# Altium PCB Waffling60-MX.PcbDoc (part 3 of 3)
Units mm, origin at the board's own origin, x right, y up, seen from the top; angles counter-clockwise.
Board outline 284.7 x 94.21 mm, 2 copper layers (Component Side, Bottom Layer), stack 1.571 mm thick; 179 components, 117 nets, 927 pads, 147 vias.
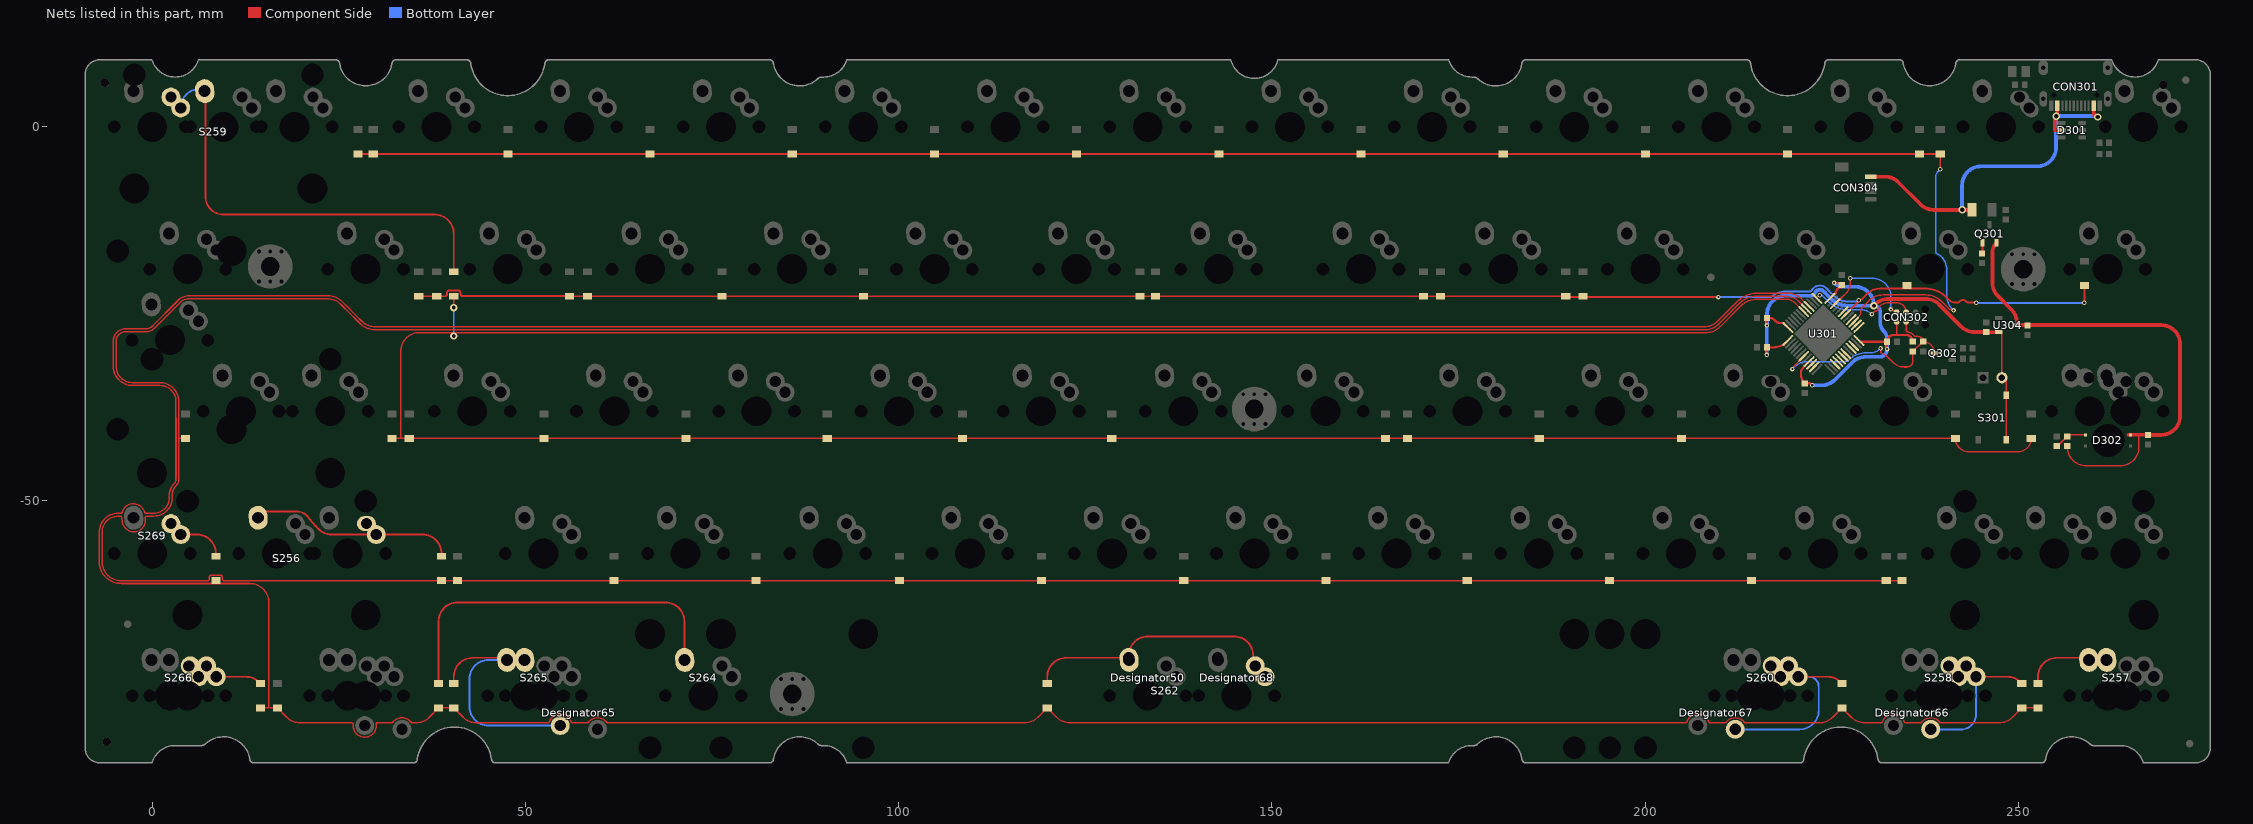
[diagram p3: the nets of this part, all layers, seen from the top]

## Via types
v1: diameter 0.6, hole 0.3, Component Side to Bottom Layer, tented both sides, 102 vias
v2: diameter 0.6, hole 0.3, Component Side to Bottom Layer, tented bottom, 25 vias
v3: diameter 1, hole 0.5, Component Side to Bottom Layer, tented both sides, 17 vias
v4: diameter 1, hole 0.6, Component Side to Bottom Layer, tented both sides, 3 vias

## Nets (pads, with @x,y where several pads share a name; then routed paths per layer and width w, separated by ;. In a path a pad name is that pad's centre, name@x,y a point inside that pad or via, vN(x,y) a via of type N, cw(c..) or ccw(c..) an arc to the next point about the centre after c; other vN are vias at no path point) (continued)
NetD255_1: D255.1 S256.1 | length 27.9
  Component Side w0.254: S256.1@14.17,-52.36 15.024,-51.506 19.31,-51.506 cw(c19.31,-53.519) 20.721,-52.083 cw(c20.543,-52.265) 20.743,-52.108 ccw(c36.117,-40.167) 22.326,-53.906 22.329,-53.909 ccw(c23.442,-52.792) 22.471,-54.034 cw(c22.313,-54.233) 22.486,-54.047 ccw(c23.936,-52.461) 23.937,-54.61 30.105,-54.61 36.201,-54.61 cw(c36.201,-57.15) 38.741,-57.15 D255.1@38.741,-57.515
NetD256_1: D256.1 S269.1 | length 6.5
  Component Side w0.254: S269.1@3.81,-54.61 5.975,-54.61 cw(c5.975,-57.15) 8.515,-57.15 D256.1@8.515,-57.515
NetD257_1: D257.1 S257.2 | length 9.1
  Component Side w0.254: D257.1@252.609,-74.565 252.609,-73.66 cw(c255.149,-73.66) 255.149,-71.12 S257.2@259.397,-71.12
NetD258_1: D258.1 Designator66.2 S258.1 | length 18.7
  Component Side w0.254: S258.1@244.317,-73.66 248.493,-73.66 cw(c248.493,-76.2) 250.289,-74.404 D258.1@250.45,-74.565
  Bottom Layer w0.254: Designator66.2@238.244,-80.7 ccw(c238.294,-80.7) 238.294,-80.75 242.25,-80.75 ccw(c242.25,-78.683) 244.317,-78.683 244.317,-76.555 cw(c244.571,-76.556) 244.325,-76.493 ccw(c243.206,-76.2) 244.325,-75.907 cw(c244.571,-75.844) 244.317,-75.845 S258.1@244.317,-73.66
NetD259_1: D259.1 S259.1 | length 60
  Component Side w0.254: S259.1@7.025,4.79 cw(c7.025,4.697) 7.118,4.697 7.118,-9.308 ccw(c9.565,-9.308) 9.565,-11.755 37.852,-11.755 cw(c37.852,-14.295) 40.392,-14.295 D259.1@40.392,-19.415
  Bottom Layer w0.254: S259.1@3.81,2.54 cw(c6.35,2.54) 6.35,5.08 S259.1@6.985,5.08
NetD260_1: D260.1 Designator67.2 S260.1 | length 25.4
  Component Side w0.254: S260.1@220.504,-73.66 224.411,-73.66 cw(c224.411,-76.2) 226.207,-74.404 D260.1@226.368,-74.565
  Bottom Layer w0.254: Designator67.2@212.05,-80.7 220.71,-80.7 ccw(c220.71,-78.16) 223.25,-78.16 223.25,-75 ccw(c221.91,-75) 221.91,-73.66 S260.1@220.504,-73.66
NetD261_1: 
NetD262_1: D262.1 Designator50.2 Designator68.1 S262.2 | length 36.6
  Component Side w0.254: D262.1@119.894,-74.565 119.894,-73.66 cw(c122.434,-73.66) 122.434,-71.12 S262.2@130.811,-71.12 130.811,-70.81 cw(c133.351,-70.81) 133.351,-68.27 144.947,-68.27 cw(c144.947,-70.81) 147.487,-70.81 S262.2@147.487,-71.12 148.013,-71.646 cw(c146.217,-73.442) 148.757,-73.442 Designator68.1@148.757,-73.66
  Bottom Layer w0.254: S262.2@130.811,-71.12 Designator50.2@130.811,-70.937
NetD263_1: 
NetD264_1: D264.1 S264.1 | length 49
  Component Side w0.254: D264.1@38.36,-74.565 38.36,-66.238 cw(c40.9,-66.238) 40.9,-63.698 68.739,-63.698 cw(c68.739,-66.238) 71.279,-66.238 S264.1@71.279,-71.12
NetD265_1: D265.1 Designator65.1 S265.2 | length 33.2
  Component Side w0.254: D265.1@40.392,-74.565 40.392,-73.66 cw(c42.932,-73.66) 42.932,-71.12 S265.2@47.467,-71.12
  Bottom Layer w0.254: S265.2@47.507,-71.41 45.04,-71.41 ccw(c45.04,-73.95) 42.5,-73.95 42.5,-77.66 ccw(c45.04,-77.66) 45.04,-80.2 Designator65.1@54.65,-80.2
NetD266_1: D266.1 S266.1 | length 6.2
  Component Side w0.254: S266.1@8.573,-73.66 12.527,-73.66 cw(c12.527,-76.2) 14.323,-74.404 D266.1@14.484,-74.565
NetD302_4: D302.4 R306.2 R308.1 | length 4.5
  Component Side w0.254: R308.1@255.149,-42.758 255.447,-42.485 256.248,-41.731 R306.2@256.546,-41.458 cw(c256.761,-41.458) 256.761,-41.243 D302.4@258.993,-41.243
NetQ301_1: Q301.1 R307.1 | length 1.5
  Component Side w0.254: R307.1@245.116,-16.947 ccw(c245.116,-16.881) 245.182,-16.881 Q301.1@245.182,-15.495
NRST: C310.1 CON302.3 Q302.3 R303.2 U301.7 | length 30.5
  Component Side w0.203: v1@219.716,-32.456 v1(219.716,-32.448) 219.716,-32.254 U301.7@221.069,-30.9 ; v1(231.535,-29.662) 231.535,-29.723 231.535,-30.098 ccw(c231.738,-30.101) 231.654,-30.286 cw(c230.384,-33.109) 232.573,-30.921 233.187,-31.534 ccw(c234.712,-30.008) 234.188,-32.101 ccw(c234.712,-30.008) 234.712,-32.165 235.083,-32.165 ccw(c235.083,-31.403) 235.845,-31.403 R303.2@235.845,-30.058 236.168,-29.76 236.919,-29.056 C310.1@237.242,-28.758 ; CON302.3@234.956,-26.106 234.956,-27.262 ccw(c235.159,-27.261) 235.133,-27.462 cw(c234.971,-28.758) 235.548,-27.587 cw(c234.971,-28.758) 236.054,-28.029 ccw(c236.222,-27.915) 236.099,-28.076 236.48,-28.076 cw(c236.48,-29.154) 237.242,-28.392 C310.1@237.242,-28.758 ; Q302.3@238.709,-30.297 238.709,-30.225 ccw(c237.242,-30.225) C310.1@237.242,-28.758
  Bottom Layer w0.203: v1(219.716,-32.448) 219.991,-32.173 cw(c221.787,-33.969) 221.787,-31.429 226.591,-31.429 ccw(c226.591,-29.298) 227.136,-31.358 ccw(c227.083,-31.162) 227.226,-31.307 227.36,-31.173 ; 227.36,-31.172 cw(c229.531,-33.345) 228,-30.682 cw(c229.531,-33.345) 228.293,-30.534 cw(c229.531,-33.345) 229.531,-30.273 230.257,-30.273 ccw(c230.257,-28.664) 231.395,-29.802 v1(231.535,-29.662)
PA0: U301.10
PA1: U301.11
PA5: U301.15
PA6: U301.16
PA7: U301.17
PA9: D215.2 D216.2 D217.2 D218.2 D219.2 D220.2 D221.2 D222.2 D223.2 D224.2 D225.2 D226.2 D227.2 D228.2 U301.30 | length 231.9
  Component Side w0.254: D227.2@35.693,-22.685 D228.2@38.106,-22.685 39.221,-22.685 ccw(c39.221,-22.431) 39.475,-22.431 39.475,-22.23 cw(c39.782,-22.23) 39.782,-21.923 41.002,-21.923 cw(c41.002,-22.23) 41.309,-22.23 41.309,-22.423 ccw(c41.563,-22.423) 41.563,-22.677 55.403,-22.677 D226.2@55.886,-22.685 D225.2@58.299,-22.685 D224.2@76.333,-22.685 D223.2@95.256,-22.685 D222.2@132.34,-22.685 D221.2@134.372,-22.685 D220.2@170.313,-22.685 D219.2@172.599,-22.685 D218.2@189.363,-22.685 189.846,-22.804 v1(209.81,-22.804) ; U301.30@227.044,-24.925 v1@228.535,-23.435 ; v1@228.668,-23.151 228.912,-23.151 229.652,-22.411 cw(c231.448,-24.207) 231.448,-21.667 237.629,-21.667 cw(c237.629,-24.068) 237.842,-21.676 ccw(c237.863,-21.423) 237.844,-21.677 cw(c237.57,-25.581) 240.134,-22.624 ; 239.146,-21.998 cw(c237.57,-25.581) 240.134,-22.624 ; v1(244.354,-23.566) ccw(c244.235,-23.79) 244.235,-23.536 243.265,-23.536 cw(c243.266,-23.282) 243.063,-23.435 ccw(c242.576,-23.797) 242.089,-23.435 cw(c241.886,-23.282) 241.887,-23.536 241.844,-23.536 ccw(c241.844,-23.947) 241.842,-23.536 241.595,-23.536 cw(c241.595,-22.246) 240.682,-23.158 240.341,-22.816 ccw(c237.57,-25.581) 240.134,-22.624 ; v1(258.832,-23.566) D215.2@258.832,-21.264
  Bottom Layer w0.254: v1(209.81,-22.804) 216.726,-22.804 ccw(c216.724,-22.55) 216.884,-22.748 cw(c218.842,-25.147) 218.842,-22.05 222.056,-22.05 ccw(c222.055,-21.796) 222.276,-21.921 cw(c223.399,-22.55) 224.308,-21.639 cw(c223.399,-22.55) 224.31,-21.641 cw(c223.399,-22.55) 224.398,-21.739 ccw(c224.595,-21.578) 224.435,-21.775 cw(c223.756,-22.626) 224.524,-21.855 cw(c223.756,-22.626) 224.526,-21.857 cw(c223.756,-22.626) 224.527,-21.858 224.88,-22.211 ; 224.881,-22.212 225.315,-22.646 ; 225.316,-22.647 ccw(c227.111,-20.85) 227.111,-23.39 228.335,-23.39 ; v1(244.354,-23.566) v1(258.832,-23.566)
  other v1: 228.601,-23.217
PA10: U301.31
PB0: U301.18
PB1: U301.19
PB4: D241.2 D256.2 D257.2 D258.2 D260.2 D262.2 D264.2 D265.2 D266.2 U301.40 | length 569
  Component Side w0.203: 4.935,-22.636 ccw(c4.87,-24.57) 3.365,-23.354 cw(c3.208,-23.226) 3.352,-23.369 0.048,-26.673 cw(c-0.095,-26.528) 0.028,-26.69 ccw(c0.26,-26.995) -0.01,-26.723 cw(c-0.808,-25.927) -0.756,-27.053 -3.596,-27.054 ccw(c-3.596,-28.678) -5.22,-28.678 -5.22,-32.094 ccw(c-2.68,-32.094) -2.68,-34.634 1.019,-34.634 cw(c1.019,-36.791) 3.176,-36.791 3.176,-38.92 ccw(c3.841,-38.92) 3.178,-38.969 ccw(c3.841,-38.92) 3.178,-38.971 cw(c2.976,-38.987) 3.179,-38.986 3.179,-39.441 3.179,-47.157 cw(c2.261,-47.157) 2.91,-47.806 ccw(c4.402,-49.298) 2.707,-48.041 ccw(c4.402,-49.298) 2.292,-49.298 2.292,-49.667 cw(c0.206,-49.667) 1.678,-51.145 cw(c0.206,-49.667) 0.206,-51.753 -0.842,-51.753 cw(c-0.841,-51.55) -1.036,-51.606 ccw(c-2.529,-52.031) -1.776,-50.674 ccw(c-2.529,-52.031) -3.728,-51.047 ccw(c-2.529,-52.031) -4.022,-51.609 cw(c-4.217,-51.553) -4.187,-51.754 cw(c-4.265,-51.224) -4.265,-51.76 -4.434,-51.76 -4.566,-51.76 ccw(c-4.566,-54.3) -7.106,-54.3 -7.106,-58.245 ccw(c-4.183,-58.245) -4.183,-61.168 13.087,-61.168 cw(c13.087,-63.708) 15.627,-63.708 15.627,-77.835 ; 4.999,-22.635 23.618,-22.635 cw(c23.618,-25.175) 25.414,-23.379 26.312,-24.277 26.836,-24.801 ; D266.2@14.484,-77.835 15.627,-77.835 ; 26.837,-24.802 27.281,-25.247 28.074,-26.039 ccw(c29.87,-24.243) 28.088,-26.053 ccw(c29.87,-24.243) 29.87,-26.783 207.895,-26.783 ccw(c207.895,-24.243) 209.691,-26.039 212.302,-23.428 cw(c215.017,-26.133) 212.312,-23.418 cw(c215.017,-26.133) 213.336,-22.689 ccw(c213.246,-22.507) 213.345,-22.684 cw(c214.793,-25.224) 214.793,-22.3 219.16,-22.3 cw(c219.16,-24.84) 220.956,-23.044 U301.40@221.776,-23.865 ; 208.514,-79.687 ccw(c207.05,-80.2) 205.582,-79.698 cw(c205.39,-79.632) 205.391,-79.835 171.202,-79.835 171.202,-79.827 122.938,-79.827 cw(c122.938,-77.287) 121.142,-79.083 D262.2@119.894,-77.835 118.646,-79.083 cw(c116.85,-77.287) 116.85,-79.827 107.909,-79.827 107.901,-79.835 61.041,-79.835 cw(c61.042,-79.632) 60.882,-79.756 ccw(c59.65,-80.7) 58.419,-79.756 cw(c58.258,-79.632) 58.259,-79.835 56.309,-79.835 cw(c56.31,-79.632) 56.118,-79.699 ccw(c54.65,-80.2) 53.182,-79.698 cw(c52.99,-79.632) 52.991,-79.835 52.421,-79.835 44.456,-79.835 43.444,-79.835 cw(c43.444,-77.295) 41.648,-79.091 D265.2@40.392,-77.835 D264.2@38.36,-77.835 37.104,-79.091 cw(c35.308,-77.295) 35.308,-79.835 34.847,-79.835 cw(c34.848,-79.632) 34.688,-79.756 ccw(c33.456,-80.7) 32.225,-79.756 cw(c32.064,-79.632) 32.065,-79.835 30.115,-79.835 ccw(c30.115,-79.943) 30.008,-79.943 30.008,-80.2 cw(c28.456,-80.2) 28.758,-81.722 cw(c28.456,-80.2) 26.911,-80.057 ccw(c26.709,-80.038) 26.71,-79.835 19.822,-79.835 cw(c19.822,-77.295) 18.026,-79.091 D241.2@16.77,-77.835 15.627,-77.835 ; 208.52,-79.704 ccw(c208.712,-79.638) 208.662,-79.835 210.74,-79.835 ccw(c210.637,-79.66) 210.8,-79.781 cw(c212.05,-80.7) 210.818,-79.756 cw(c212.05,-80.7) 213.282,-79.756 ; 213.282,-79.757 cw(c212.05,-80.7) 213.317,-79.804 ccw(c213.481,-79.685) 213.344,-79.835 223.316,-79.835 ; 223.316,-79.835 ccw(c223.316,-77.295) 223.968,-79.75 ccw(c223.316,-77.295) 224.368,-79.607 ccw(c223.316,-77.295) 225.112,-79.091 D260.2@226.368,-77.835 227.611,-79.078 ccw(c229.407,-77.282) 229.407,-79.822 231.521,-79.822 ccw(c231.521,-79.466) 231.695,-79.776 ccw(c231.595,-79.6) 231.785,-79.67 cw(c233.244,-80.2) 232.734,-78.735 cw(c233.244,-80.2) 234.712,-79.699 ccw(c234.904,-79.632) 234.903,-79.835 236.939,-79.835 ccw(c236.825,-79.667) 236.989,-79.787 cw(c238.244,-80.7) 237.012,-79.756 cw(c238.244,-80.7) 239.475,-79.756 ccw(c239.636,-79.632) 239.635,-79.835 247.398,-79.835 ccw(c247.398,-77.295) 249.194,-79.091 D258.2@250.45,-77.835 D257.2@252.609,-77.835
PB5: D242.2 D243.2 D244.2 D245.2 D246.2 D247.2 D248.2 D249.2 D250.2 D251.2 D252.2 D253.2 D254.2 D255.2 U301.41 | length 523.6
  Component Side w0.203: D242.2@3.941,-41.574 3.943,-41.574 D242.2@4.451,-41.735 3.562,-41.735 ; U301.41@221.423,-24.218 220.632,-23.428 ccw(c218.836,-25.224) 218.836,-22.684 214.793,-22.684 ccw(c214.793,-25.224) 213.525,-23.022 cw(c213.425,-22.846) 213.514,-23.028 ccw(c215.017,-26.133) 212.582,-23.69 ccw(c215.017,-26.133) 212.573,-23.698 209.85,-26.422 cw(c208.053,-24.626) 208.053,-27.166 29.87,-27.166 cw(c29.87,-24.243) 27.805,-26.312 cw(c29.87,-24.243) 27.802,-26.309 27.328,-25.835 26.566,-25.073 25.255,-23.762 ccw(c23.459,-25.558) 23.459,-23.018 4.999,-23.018 ccw(c4.999,-23.947) 4.951,-23.02 cw(c4.941,-22.817) 4.934,-23.02 ccw(c4.87,-24.57) 3.646,-23.617 0.267,-26.995 0.26,-26.995 cw(c-0.808,-25.927) -0.808,-27.437 -3.596,-27.437 ccw(c-3.596,-28.678) -4.828,-28.533 ccw(c-3.596,-28.678) -4.837,-28.678 -4.837,-32.094 ccw(c-2.68,-32.094) -4.315,-33.5 ccw(c-4.162,-33.367) -4.307,-33.51 -4.096,-33.721 ccw(c-3.953,-33.576) -4.087,-33.729 ccw(c-2.68,-32.094) -2.68,-34.251 1.019,-34.251 cw(c1.019,-36.791) 3.559,-36.791 3.559,-38.92 ccw(c3.841,-38.92) 3.56,-38.941 cw(c2.976,-38.987) 3.561,-38.951 3.562,-38.963 cw(c3.359,-38.975) 3.562,-38.975 3.562,-41.735 ; D244.2@234.382,-60.785 D243.2@232.289,-60.785 D245.2@214.255,-60.785 D246.2@195.205,-60.785 D247.2@176.155,-60.785 D248.2@157.232,-60.785 D249.2@138.182,-60.785 D250.2@119.132,-60.785 D251.2@100.082,-60.785 D252.2@80.905,-60.785 D253.2@61.855,-60.785 D254.2@40.9,-60.785 D255.2@38.741,-60.785 9.61,-60.785 cw(c9.61,-60.582) 9.407,-60.582 9.407,-60.33 ccw(c9.125,-60.33) 9.125,-60.048 7.905,-60.048 ccw(c7.905,-60.33) 7.623,-60.33 7.623,-60.582 cw(c7.42,-60.582) 7.42,-60.785 -4.183,-60.785 cw(c-4.183,-58.245) -6.723,-58.245 -6.723,-54.3 cw(c-4.566,-54.3) -4.566,-52.143 -4.272,-52.143 cw(c-4.272,-52.655) -4.255,-52.143 cw(c-4.263,-52.347) -4.06,-52.33 -4.017,-52.823 ccw(c-2.471,-52.689) -3.76,-53.553 ccw(c-2.471,-52.689) -0.992,-53.156 ccw(c-2.471,-52.689) -0.926,-52.552 -0.942,-52.367 cw(c-0.739,-52.35) -0.78,-52.151 cw(c-0.629,-52.898) -0.629,-52.136 0.206,-52.136 ccw(c0.206,-49.667) 1.621,-51.691 ccw(c0.206,-49.667) 2.675,-49.667 2.675,-49.298 cw(c4.402,-49.298) 3.181,-48.077 ccw(c2.261,-47.157) 3.562,-47.157 3.562,-41.735
PB6: D228_2.2 D229.2 D230.2 D231.2 D232.2 D233.2 D234.2 D235.2 D236.2 D237.2 D238.2 D239.2 D240.2 D259.2 U301.42 | length 430
  Component Side w0.203: D228_2.2@32.137,-41.735 33.28,-41.735 ; v3(40.392,-24.201) D259.2@40.392,-22.685 ; U301.42@221.069,-24.572 220.144,-23.646 ccw(c218.745,-25.045) 218.745,-23.067 215.017,-23.067 ccw(c215.017,-26.133) 212.852,-23.961 ccw(c215.017,-26.133) 212.845,-23.968 210.008,-26.805 cw(c208.212,-25.009) 208.212,-27.549 205.746,-27.549 87.509,-27.549 86.754,-27.549 79.001,-27.549 ccw(c78.998,-27.753) 78.998,-27.549 44.583,-27.549 35.82,-27.549 ccw(c35.82,-30.089) 33.28,-30.089 33.28,-41.735 ; D229.2@251.72,-41.735 cw(c249.95,-41.735) 249.95,-43.505 243.33,-43.505 cw(c243.33,-41.735) D230.2@241.56,-41.735 D231.2@204.857,-41.735 D232.2@185.807,-41.735 D235.2@128.53,-41.735 D236.2@108.53,-41.735 D237.2@90.43,-41.735 D238.2@71.507,-41.735 D239.2@52.457,-41.735 D240.2@34.423,-41.735 33.28,-41.735
  Bottom Layer w0.203: v3(40.392,-28.011) v3(40.392,-24.201)
PB10: U301.21
PB11: U301.22
PB12: U301.25
PB13: U301.26
PB14: D201.2 D202.2 D203.2 D204.2 D205.2 D206.2 D207.2 D208.2 D209.2 D210.2 D211.2 D212.2 D213.2 D214.2 U301.27 | length 249.6
  Component Side w0.203: U301.27@228.105,-25.986 228.581,-25.51 ccw(c227.906,-24.836) 228.86,-24.836 cw(c229.926,-24.836) 229.172,-24.082 230.001,-23.254 cw(c231.797,-25.05) 231.797,-22.51 237.57,-22.51 cw(c237.57,-25.581) 239.742,-23.409 239.914,-23.581 240.085,-23.753 ccw(c241.595,-22.246) 240.089,-23.756 240.638,-24.305 ccw(c241.306,-23.638) v1(241.306,-24.582)
  Component Side w0.254: D214.2@27.565,-3.635 D213.2@29.597,-3.635 D212.2@47.631,-3.635 D211.2@66.681,-3.635 D210.2@85.731,-3.635 D209.2@104.781,-3.635 D208.2@123.831,-3.635 D207.2@142.881,-3.635 D206.2@161.931,-3.635 D205.2@180.981,-3.635 D204.2@200.031,-3.635 D203.2@219.081,-3.635 D201.2@236.734,-3.635 D202.2@239.528,-3.635 v1(239.528,-5.659)
  Bottom Layer w0.203: v1(239.528,-5.659) 239.252,-5.935 ccw(c240.119,-6.802) 238.893,-6.802 238.893,-16.655 ccw(c239.327,-16.655) 238.961,-16.888 ccw(c239.132,-16.778) 239.048,-16.964 cw(c238.125,-19.05) 239.37,-17.138 cw(c238.125,-19.05) 240.406,-19.107 ; 240.406,-19.111 240.406,-22.63 ccw(c242.946,-22.63) 241.15,-24.426 v1(241.306,-24.582)
PB15: U301.28
RAW: CON301.A4B9 CON301.B4A9 CON304.1 D301.5 F301.2 | length 50
  Component Side w0.5: CON304.1@230.225,-6.665 232.116,-6.665 cw(c232.116,-9.205) 233.912,-7.409 236.879,-10.376 ccw(c238.675,-8.58) 238.675,-11.12 v4(242.449,-11.12) F301.2@243.766,-11.12 ; CON301.B4A9@255.25,2.885 CON301.B4A9@255.2,2.835 255.2,1.751 255.039,1.59 v4(255.039,1.455) 255.039,1.297 cw(c254.539,1.299) 254.952,1.017 ccw(c255.306,0.773) 254.876,0.773 254.876,-0.452 D301.5@255.806,-0.452 ; CON301.A4B9@260.1,2.835 260.1,1.836 ccw(c260.61,1.836) v4(260.61,1.326)
  Bottom Layer w0.5: v4(242.449,-11.12) 242.449,-7.818 cw(c244.989,-7.818) 244.989,-5.278 252.499,-5.278 ccw(c252.499,-2.738) 255.039,-2.738 v4(255.039,1.455) 260.481,1.455 cw(c260.481,1.326) v4(260.61,1.326)
SWCLK: CON302.4 U301.37 | length 14.2
  Component Side w0.203: U301.37@222.837,-22.804 222.89,-22.857 222.954,-22.857 v1@223.185,-22.626 ; v1(230.373,-25.09) 230.593,-24.87 ccw(c230.178,-24.455) 230.656,-24.796 cw(c230.821,-24.915) 230.782,-24.715 ccw(c230.638,-23.947) 231.19,-24.501 ccw(c230.638,-23.947) 231.414,-24.04 cw(c231.616,-24.065) 231.505,-23.895 cw(c232.596,-25.581) 232.596,-23.573 233.693,-23.573 cw(c233.693,-24.836) CON302.4@234.956,-24.836
  Bottom Layer w0.203: v1(223.399,-22.55) 223.59,-22.55 cw(c223.589,-22.753) 223.717,-22.596 ccw(c224.374,-21.8) 223.746,-22.619 cw(c223.622,-22.779) 223.755,-22.626 cw(c223.622,-22.779) 223.766,-22.636 224.01,-22.881 224.108,-22.978 ; 224.109,-22.979 ccw(c224.842,-22.253) 224.115,-22.985 224.423,-23.293 cw(c224.154,-23.566) 224.424,-23.294 cw(c224.154,-23.566) 224.425,-23.296 cw(c224.154,-23.566) 224.426,-23.297 224.545,-23.416 ccw(c227.111,-20.85) 224.548,-23.418 ccw(c227.111,-20.85) 227.111,-24.479 228.897,-24.479 cw(c228.897,-26.566) v1(230.373,-25.09)
SWDIO: CON302.2 U301.34 | length 14.4
  Component Side w0.203: U301.34@225.704,-23.481 cw(c225.63,-23.407) U301.34@225.63,-23.511 226.391,-22.751 226.434,-22.751 ; U301.34@225.704,-23.48 226.434,-22.751 ; v1@227.473,-20.428 ccw(c227.666,-20.491) 227.463,-20.491 227.463,-20.994 cw(c225.706,-20.994) 226.948,-22.236 226.434,-22.751 ; v1(232.924,-24.455) 233,-24.531 233.222,-24.531 233.527,-24.836 CON302.2@233.686,-24.836
  Bottom Layer w0.203: v1(227.471,-20.264) 230.384,-20.264 cw(c230.384,-22.804) 232.924,-22.804 v1(232.924,-24.455)
VCC: C307.2 C311.2 D302.1 Q301.2 R306.1 U304.3 | length 67.9
  Component Side w0.203: R306.1@256.546,-42.758 256.546,-42.87 ccw(c259.086,-42.87) 259.086,-45.41 263.605,-45.41 ccw(c263.605,-42.87) 266.145,-42.87 266.145,-41.243
  Component Side w0.5: Q301.2@247.082,-15.495 ccw(c248.456,-16.869) 246.513,-16.869 246.513,-20.863 ccw(c249.053,-20.863) 247.257,-22.659 249.043,-24.445 cw(c247.247,-26.241) 249.787,-26.241 U304.3@249.787,-26.544 269.119,-26.544 cw(c269.119,-29.084) 271.659,-29.084 271.659,-38.725 cw(c269.119,-38.725) 269.119,-41.265 C311.2@267.35,-41.265 ccw(c267.297,-41.318) 267.297,-41.243 266.145,-41.243 D302.1@264.993,-41.243 264.743,-41.243
VCC3V3: C301.2 C302.2 C303.2 C304.2 C305.2 C308.2 CON302.1 CON303.2 R303.1 S301.1 U301.1 U301.9 U301.24 U301.36 U301.48 U304.2 | length 108
  Component Side w0.203: 233.559,-27.884 ccw(c233.559,-27.757) 233.686,-27.757 CON302.1@233.686,-26.106 ; U304.2@247.387,-27.494 cw(c247.387,-27.89) 247.783,-27.89 CON303.2@247.783,-33.599 cw(c247.783,-34.204) 248.388,-34.204 S301.1@248.388,-35.933 S301.1@248.388,-41.933
  Component Side w0.3: v1(216.287,-30.543) 216.287,-29.55 C305.2@216.302,-29.535 217.14,-29.535 ccw(c217.14,-26.995) 218.936,-28.791 U301.1@218.948,-28.779 ; v1(216.302,-26.591) C304.2@216.302,-25.598 216.678,-25.598 cw(c216.678,-26.489) 217.308,-25.859 217.522,-26.073 ; C304.2@216.304,-25.598 C304.2@216.552,-25.606 ; 217.522,-26.073 ccw(c218.038,-25.557) 218.038,-26.287 218.541,-26.287 U301.48@218.948,-26.693 ; U301.9@221.776,-31.607 221.17,-32.214 ccw(c221.919,-32.964) 220.859,-32.964 220.859,-33.12 ccw(c222.593,-33.12) C302.2@221.367,-34.346 222.069,-34.346 222.338,-34.615 v1(222.383,-34.615) ; U301.36@224.923,-22.804 225.487,-22.24 ccw(c225.274,-22.029) 225.57,-22.075 cw(c226.193,-22.169) 226.067,-21.552 ccw(c226.005,-21.258) 226.185,-21.498 226.185,-21.418 C303.2@226.32,-21.168 ccw(c225.671,-21.817) 225.671,-20.899 v1(225.304,-20.899) ; U301.24@228.812,-28.779 228.818,-28.773 C301.2@232.401,-28.773 ; v1(232.401,-29.766) C301.2@232.401,-28.773 ; R303.1@235.845,-28.758 ccw(c234.971,-28.758) 234.971,-27.884 233.559,-27.884 233.29,-27.884 ccw(c233.29,-28.773) C301.2@232.401,-28.773
  Component Side w0.5: v3(230.638,-23.947) 230.8,-23.785 cw(c232.596,-25.581) 232.596,-23.041 237.57,-23.041 cw(c237.57,-25.581) 239.366,-23.785 242.313,-26.732 ccw(c244.109,-24.936) 244.109,-27.476 C308.2@245.681,-27.476 ; C308.2@245.681,-27.494 U304.2@247.387,-27.494
  Bottom Layer w0.5: v1(216.287,-30.543) 216.294,-30.536 216.294,-26.599 v1(216.302,-26.591) 216.302,-25.147 cw(c218.842,-25.147) 216.45,-24.292 cw(c218.842,-25.147) 217.986,-22.756 cw(c218.842,-25.147) 218.842,-22.607 222.253,-22.607 ccw(c222.251,-22.107) 222.718,-22.288 cw(c223.399,-22.55) 223.914,-22.033 cw(c223.399,-22.55) 223.916,-22.035 cw(c223.399,-22.55) 223.979,-22.106 ccw(c224.374,-21.8) 224.073,-22.2 cw(c223.756,-22.626) 224.131,-22.25 ; v1(222.383,-34.615) 223.617,-34.615 ccw(c223.617,-32.075) 225.413,-33.871 227.735,-31.549 cw(c229.531,-33.345) 229.531,-30.805 231.362,-30.805 ccw(c231.362,-29.766) 231.716,-30.743 ccw(c231.362,-29.766) 232.339,-30.12 ccw(c231.362,-29.766) v1(232.401,-29.766) 232.401,-28.437 ccw(c230.843,-28.437) 231.945,-27.336 cw(c233.046,-26.234) 231.489,-26.234 231.489,-24.798 ccw(c230.638,-24.798) v3(230.638,-23.947) ; 224.132,-22.251 224.487,-22.605 ccw(c224.842,-22.253) 224.49,-22.608 224.922,-23.04 ccw(c227.111,-20.85) 224.923,-23.042 ccw(c227.111,-20.85) 227.111,-23.947 v3(230.638,-23.947) ; v1(225.304,-20.899) ccw(c226.53,-19.673) 226.53,-21.407 228.098,-21.407 cw(c228.098,-23.947) 229.436,-21.788 cw(c228.098,-23.947) 230.542,-23.256 cw(c228.098,-23.947) v3(230.638,-23.947)
pads on no net: CON301. CON301.A8 CON301.B8 CON302.0 CON302.6 D301.1 D301.6 D302. D302.2 Designator50. Designator64. Designator65. Designator66. Designator67. Designator68. Designator71. FID1.0 FID2.0 FID3.0 FID4.0 S201. S202. S203. S204. S205. S206. S207. S208. S209. S210. S211. S212. S213. S214. S215. S216. S217. S218. S219. S220. S221. S222. S223. S224. S225. S226. S227. S228. S228_2. S229. S230. S231. S232. S233. S234. S235. S236. S237. S238. S239. S240. S241. S242. S243. S244. S245. S246. S247. S248. S249. S250. S251. S252. S253. S254. S256. S257. S258. S259. S260. S262. S264. S265. S266. S269. STAB1.
copper on no net: | length 0.8
  Component Side w0.254: 53.817,-73.66 54.387,-73.09

## Polygon pours and split planes (outlines as drawn)
GND on Bottom Layer "Component Side-No Net" (hatched 45Degree grid 1.397 track 0.203, remove dead copper, pour order 0): 275.251,8.788 275.251,-84.557 -8.721,-84.557 -8.721,8.788
GND on Component Side "Component Side-No Net" (hatched 45Degree grid 1.397 track 0.203, remove dead copper, pour order 1): 275.215,8.58 275.215,-84.765 -8.757,-84.765 -8.757,8.58

## Other copper
Component Side:
  pour cut-out: -9.45,-83.2 ccw(c-7,-83.2) -7,-85.65 ccw(c-7,-85.2) -6.55,-85.2 ccw(c-7,-85.2) -7,-84.75 cw(c-7,-83.2) -8.55,-83.2 ccw(c-9,-83.2)
  region net GND: 1746 vertices and 2 holes, not listed, extent 157.702,-78.595 163.614,-72.456
Bottom Layer:
  pour cut-out: -9.45,-83.2 ccw(c-7,-83.2) -7,-85.65 ccw(c-7,-85.2) -6.55,-85.2 ccw(c-7,-85.2) -7,-84.75 cw(c-7,-83.2) -8.55,-83.2 ccw(c-9,-83.2)

## Silkscreen, mask and mechanical layers (free items; w line width, h text height)
Top Overlay:
  text "Waffling: adj. or verb - indecisive; unable to make up one's mind; playing the safe middle ground due to one's own lack of conviction or sense of morality." at 31.756,-45.664 h2.9
  text "Waffling60   -D1" at 123.975,-83.925 h3
  text "MX-ALPS" at 138.026,-84.47 h1.25
Bottom Overlay:
  circle w0.4: c261.753,-80.208 r0.75
  circle w0.4: c237.95,-83.425 r0.75
  circle w0.4: c214.128,-80.208 r0.75
  circle w0.4: c133.166,-80.208 r0.75
  circle w0.4: c4.578,-80.208 r0.75
  circle w0.4: c28.4,-82.65 r0.75
  circle w0.4: c52.203,-80.208 r0.75
  circle w0.4: c230.188,-65.532 r0.75
  circle w0.4: c211.138,-65.532 r0.75
  lines w0.2: 35.566,-67.762 61.728,-67.762 ; 41.453,-65.024 43.821,-65.024 ; 53.291,-65.024 55.659,-65.024 ; 206.313,-68.27 234.313,-68.27 ; 213.665,-65.532 216.033,-65.532 ; 225.503,-65.532 227.871,-65.532 ; 40.746,-65.024 41.453,-64.317 41.453,-65.731 40.746,-65.024 ; 55.659,-65.731 56.366,-65.024 55.659,-64.317 55.659,-65.731 ; 212.958,-65.532 213.665,-66.239 213.665,-64.825 212.958,-65.532 ; 227.871,-66.239 227.871,-64.825 228.578,-65.532 227.871,-66.239
  text "< 10U" at 66.445,-65.349 h1.52 r270
  text "< 7U" at 75.843,-65.349 h1.52 r270
  text "< 6.25U" at 94.639,-65.349 h1.52 r270
  text "< 7U" at 190.143,-65.349 h1.52 r270
  text "< 10U" at 199.668,-65.349 h1.52 r270
  text "< 6.25U" at 194.842,-65.476 h1.52 r270
  text "x" at 38.125,-65.711 h1.75
  text "x" at 57.683,-65.711 h1.75
  text "X shows 6.25U space with 1.25U mods" at 61.22,-67.258 h0.75
  text "Circles shows Tsangan layout, 7U space" at 234.067,-67.766 h0.75
  text "x" at 1.867,-80.824 h1.75
  text "x" at 49.492,-80.824 h1.75
  text "x" at 73.304,-80.824 h1.75
  text "x" at 144.742,-80.824 h1.75
  text "x" at 216.179,-80.824 h1.75
  text "x" at 263.804,-80.824 h1.75
  text "x" at 25.688,-83.266 h1.75
  text "x" at 240.001,-84.041 h1.75
Top Solder:
  drawing of 2 lines, arcs and shapes, not listed
outline:
  lines w0.1: 144.489,8.999 ccw(c147.639,9.734) 150.789,8.999 ; 144.489,9 93.041,9 cw(c89.926,9.924) 89.925,6.675 89.671,6.675 ccw(c89.67,5.951) 89.158,6.463 cw(c86.725,9.056) 83.225,8.429 ccw(c82.655,8.43) 82.654,9 53.155,9 ccw(c53.154,8.43) 52.584,8.429 cw(c47.625,9.199) 42.666,8.429 ccw(c42.096,8.43) 42.095,9 32.672,9 ccw(c32.671,8.43) 32.101,8.429 cw(c28.601,9.056) 25.101,8.429 ccw(c24.531,8.43) 24.53,9 6.191,9 cw(c3.075,9.926) -0.041,9 -7,9 ccw(c-6.999,6.999) -9,7 -9,-46.2 -9,-46.375 -9,-83.2 ccw(c-6.999,-83.199) -7,-85.2 -0.041,-85.2 cw(c3.074,-86.124) 3.075,-82.875 6.532,-82.875 ccw(c6.531,-81.96) 7.178,-82.607 cw(c9.55,-85.257) 13.051,-84.629 ccw(c13.621,-84.63) 13.622,-85.2 34.966,-85.2 ccw(c34.965,-84.643) 35.522,-84.644 cw(c40.481,-85.415) 45.44,-84.644 ccw(c45.997,-84.643) 45.996,-85.2 82.654,-85.2 ccw(c82.655,-84.63) 83.225,-84.629 cw(c86.725,-85.255) 89.168,-82.672 ccw(c89.66,-82.178) 89.657,-82.875 89.925,-82.875 cw(c89.926,-86.124) 93.041,-85.2 173.647,-85.2 ; 150.789,9 173.659,9 ccw(c176.774,9.924) 176.775,6.675 177.001,6.675 cw(c177,5.875) 177.565,6.441 ccw(c179.975,9.056) 183.475,8.429 cw(c184.045,8.43) 184.046,9 213.545,9 cw(c213.546,8.43) 214.116,8.429 ccw(c219.075,9.2) 224.034,8.429 cw(c224.604,8.43) 224.605,9 234.028,9 cw(c234.029,8.43) 234.599,8.429 ccw(c238.099,9.056) 241.599,8.429 cw(c242.169,8.43) 242.17,9 262.509,9 ccw(c265.625,9.926) 268.741,9 273.7,9 cw(c273.699,6.999) 275.7,7 275.7,-46.375 275.7,-83.2 cw(c273.699,-83.199) 273.7,-85.2 266.741,-85.2 ccw(c263.626,-86.124) 263.625,-82.875 260.05,-82.875 cw(c260.051,-82.26) 259.616,-82.695 ccw(c257.149,-85.255) 253.649,-84.629 cw(c253.079,-84.63) 253.078,-85.2 231.734,-85.2 cw(c231.735,-84.643) 231.178,-84.644 ccw(c226.219,-85.415) 221.26,-84.644 cw(c220.703,-84.643) 220.704,-85.2 184.046,-85.2 cw(c184.045,-84.63) 183.475,-84.629 ccw(c179.975,-85.256) 177.53,-82.674 cw(c177.018,-82.162) 177.017,-82.886 176.763,-82.886 ccw(c176.762,-86.135) 173.647,-85.211
Mechanical 2:
  circle w0.013: c266.7,0 r1.994
  lines w0.013: 15.419,-20.3 cw(c15.419,-19.05) 15.419,-17.8 17.919,-17.8 cw(c17.919,-19.05) 17.919,-20.3 15.419,-20.3 ; 42.862,-48.419 cw(c42.862,-47.625) 42.862,-46.831 233.362,-46.831 cw(c233.362,-47.625) 233.362,-48.419 42.862,-48.419 ; 84.417,-77.323 cw(c84.417,-76.073) 84.417,-74.823 86.917,-74.823 cw(c86.917,-76.073) 86.917,-77.323 84.417,-77.323 ; 146.387,-39.35 cw(c146.387,-38.1) 146.387,-36.85 148.887,-36.85 cw(c148.887,-38.1) 148.887,-39.35 146.387,-39.35 ; 248.813,-20.3 cw(c248.813,-19.05) 248.813,-17.8 251.313,-17.8 cw(c251.313,-19.05) 251.313,-20.3 248.813,-20.3
  lines w0.1: 173.647,-85.211 cw(c176.762,-86.135) 176.763,-82.886 177.017,-82.886 ccw(c177.018,-82.162) 177.53,-82.674 cw(c179.975,-85.256) 183.475,-84.629 ccw(c184.045,-84.63) 184.046,-85.2 220.704,-85.2 ccw(c220.703,-84.643) 221.26,-84.644 cw(c226.219,-85.415) 231.178,-84.644 ccw(c231.735,-84.643) 231.734,-85.2 253.078,-85.2 ccw(c253.079,-84.63) 253.649,-84.629 cw(c257.149,-85.255) 259.616,-82.695 ccw(c260.051,-82.26) 260.05,-82.875 263.625,-82.875 cw(c263.626,-86.124) 266.741,-85.2 273.7,-85.2 ccw(c273.699,-83.199) 275.7,-83.2 275.7,-48.872 cw(c275.609,-47.625) 275.609,-48.875 271.609,-48.875 cw(c271.609,-47.625) 271.609,-46.375 275.609,-46.375 cw(c275.609,-47.625) 275.7,-46.378 275.7,-46.2 275.7,7 ccw(c273.699,6.999) 273.7,9 268.741,9 cw(c265.625,9.926) 262.509,9 242.17,9 ccw(c242.169,8.43) 241.599,8.429 cw(c238.099,9.056) 234.599,8.429 ccw(c234.029,8.43) 234.028,9 224.605,9 ccw(c224.604,8.43) 224.034,8.429 cw(c219.075,9.2) 214.116,8.429 ccw(c213.546,8.43) 213.545,9 184.046,9 ccw(c184.045,8.43) 183.475,8.429 cw(c179.975,9.056) 177.565,6.441 ccw(c177,5.875) 177.001,6.675 176.775,6.675 cw(c176.774,9.924) 173.659,9 93.041,9 cw(c89.926,9.924) 89.925,6.675 89.671,6.675 ccw(c89.67,5.951) 89.158,6.463 cw(c86.725,9.056) 83.225,8.429 ccw(c82.655,8.43) 82.654,9 53.155,9 ccw(c53.154,8.43) 52.584,8.429 cw(c47.625,9.199) 42.666,8.429 ccw(c42.096,8.43) 42.095,9 32.672,9 ccw(c32.671,8.43) 32.101,8.429 cw(c28.601,9.056) 25.101,8.429 ccw(c24.531,8.43) 24.53,9 6.191,9 cw(c3.075,9.926) -0.041,9 -7,9 ccw(c-6.999,6.999) -9,7 -9,-46.2 -9,-46.378 cw(c-8.909,-47.625) -8.909,-46.375 -4.909,-46.375 cw(c-4.909,-47.625) -4.909,-48.875 -8.909,-48.875 cw(c-8.909,-47.625) -9,-48.872 -9,-83.2 ccw(c-6.999,-83.199) -7,-85.2 -0.041,-85.2 cw(c3.074,-86.124) 3.075,-82.875 6.532,-82.875 ccw(c6.531,-81.96) 7.178,-82.607 cw(c9.55,-85.257) 13.051,-84.629 ccw(c13.621,-84.63) 13.622,-85.2 34.966,-85.2 ccw(c34.965,-84.643) 35.522,-84.644 cw(c40.481,-85.415) 45.44,-84.644 ccw(c45.997,-84.643) 45.996,-85.2 82.654,-85.2 ccw(c82.655,-84.63) 83.225,-84.629 cw(c86.725,-85.255) 89.168,-82.672 ccw(c89.66,-82.178) 89.657,-82.875 89.925,-82.875 cw(c89.926,-86.124) 93.041,-85.2 173.647,-85.2
Mechanical 13:
  lines w0.1: 251.642,9 262.373,9 ccw(c265.523,9.734) 268.673,9 ; 252.297,9 179.9,9 cw(c176.75,9.734) 173.6,9 93.1,9 cw(c89.95,9.734) 86.8,9 6.3,9 cw(c3.15,9.734) 0,9 -7,9 ccw(c-7,7) -9,7 -9,-48.85 -9,-83.2 ccw(c-7,-83.2) -7,-85.2 0,-85.2 cw(c3.15,-85.935) 6.3,-85.2 86.8,-85.2 cw(c89.95,-85.935) 93.1,-85.2 173.6,-85.2 cw(c176.75,-85.935) 179.9,-85.2 260.4,-85.2 cw(c263.55,-85.935) 266.7,-85.2 273.7,-85.2 ccw(c273.7,-83.2) 275.7,-83.2 275.7,-48.839 275.7,7 ccw(c273.7,7) 273.7,9 268.7,9
Mechanical 16:
  drawing of 562 lines, arcs and shapes, not listed

## Text inside footprints (layer, text, board x,y; h text height)
CON301: Mechanical 15 "connector edge" at 260.6,10.085 h1 r180
S262: Mechanical 16 "7U" at 67.519,-78.05 h1.52 r270; Mechanical 16 "6.25U" at 87.086,-79.8 h1.52 r270